# Altium PCB SnifferRS232.PcbDoc
Units mm, origin at the board's own origin, x right, y up, seen from the top; angles counter-clockwise.
Board outline 79 x 50 mm, 2 copper layers (Top Layer, Bottom Layer), stack 1.58 mm thick; 41 components, 50 nets, 254 pads, 56 vias.
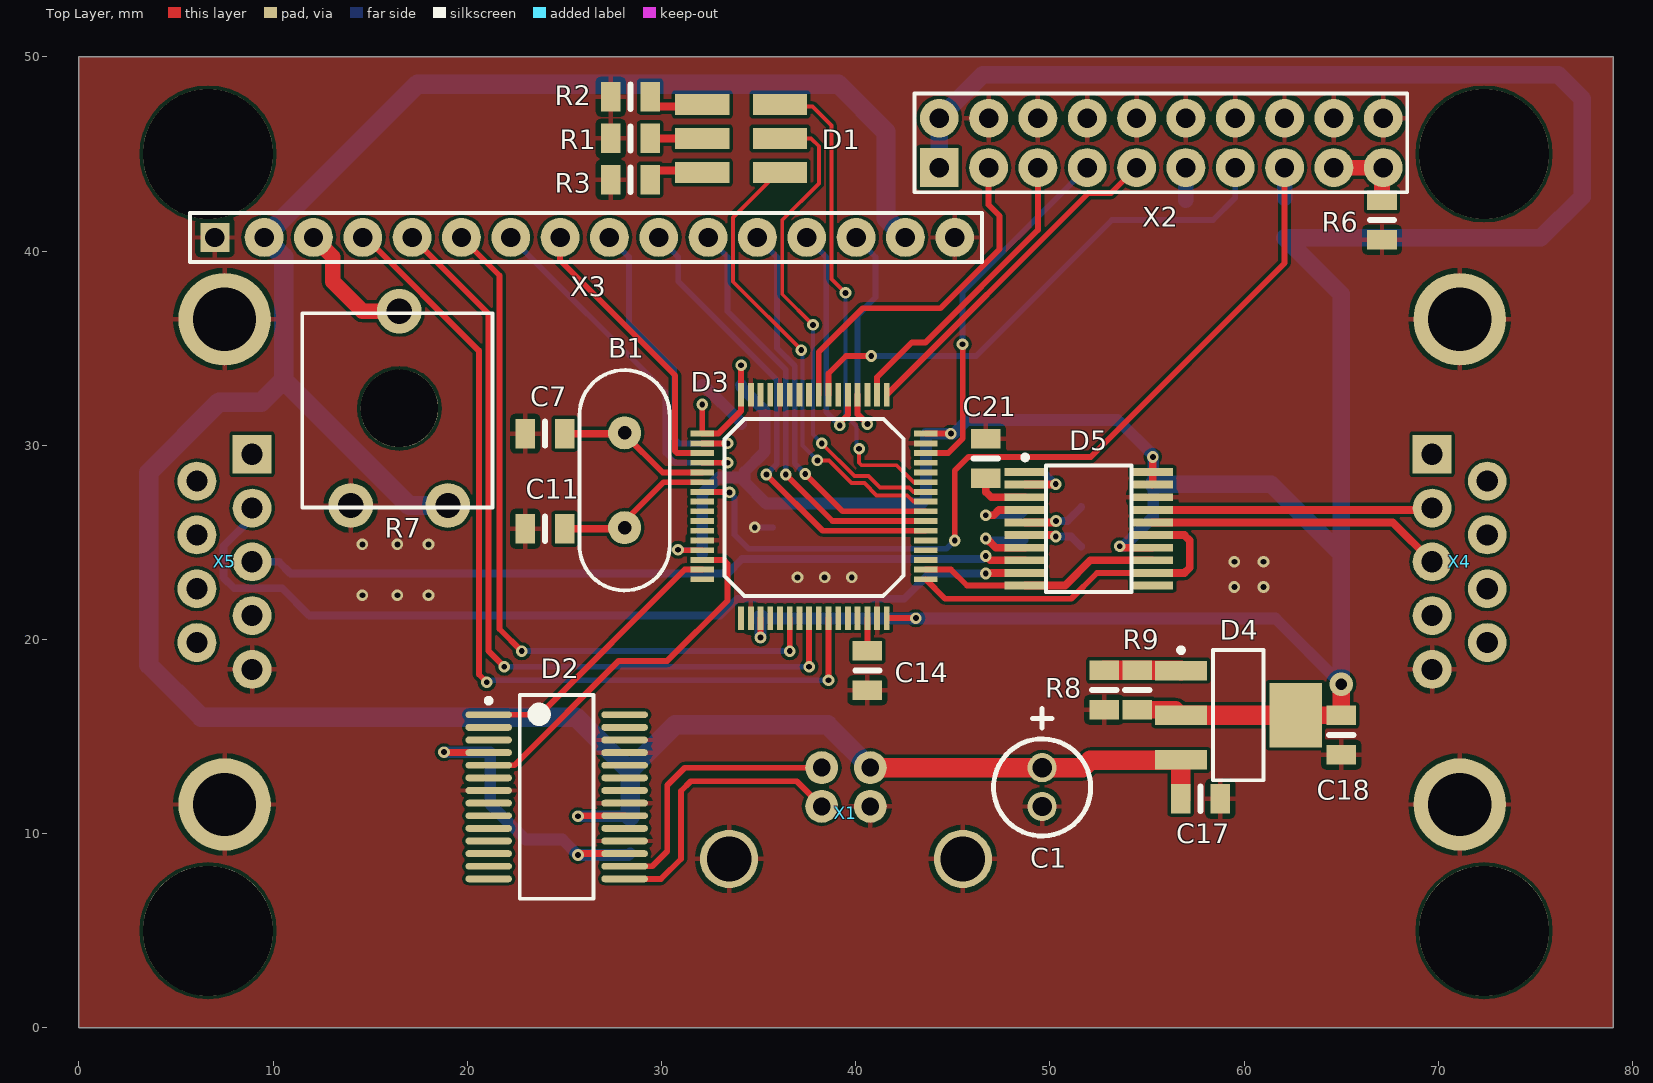
[diagram p0: Top Layer view]
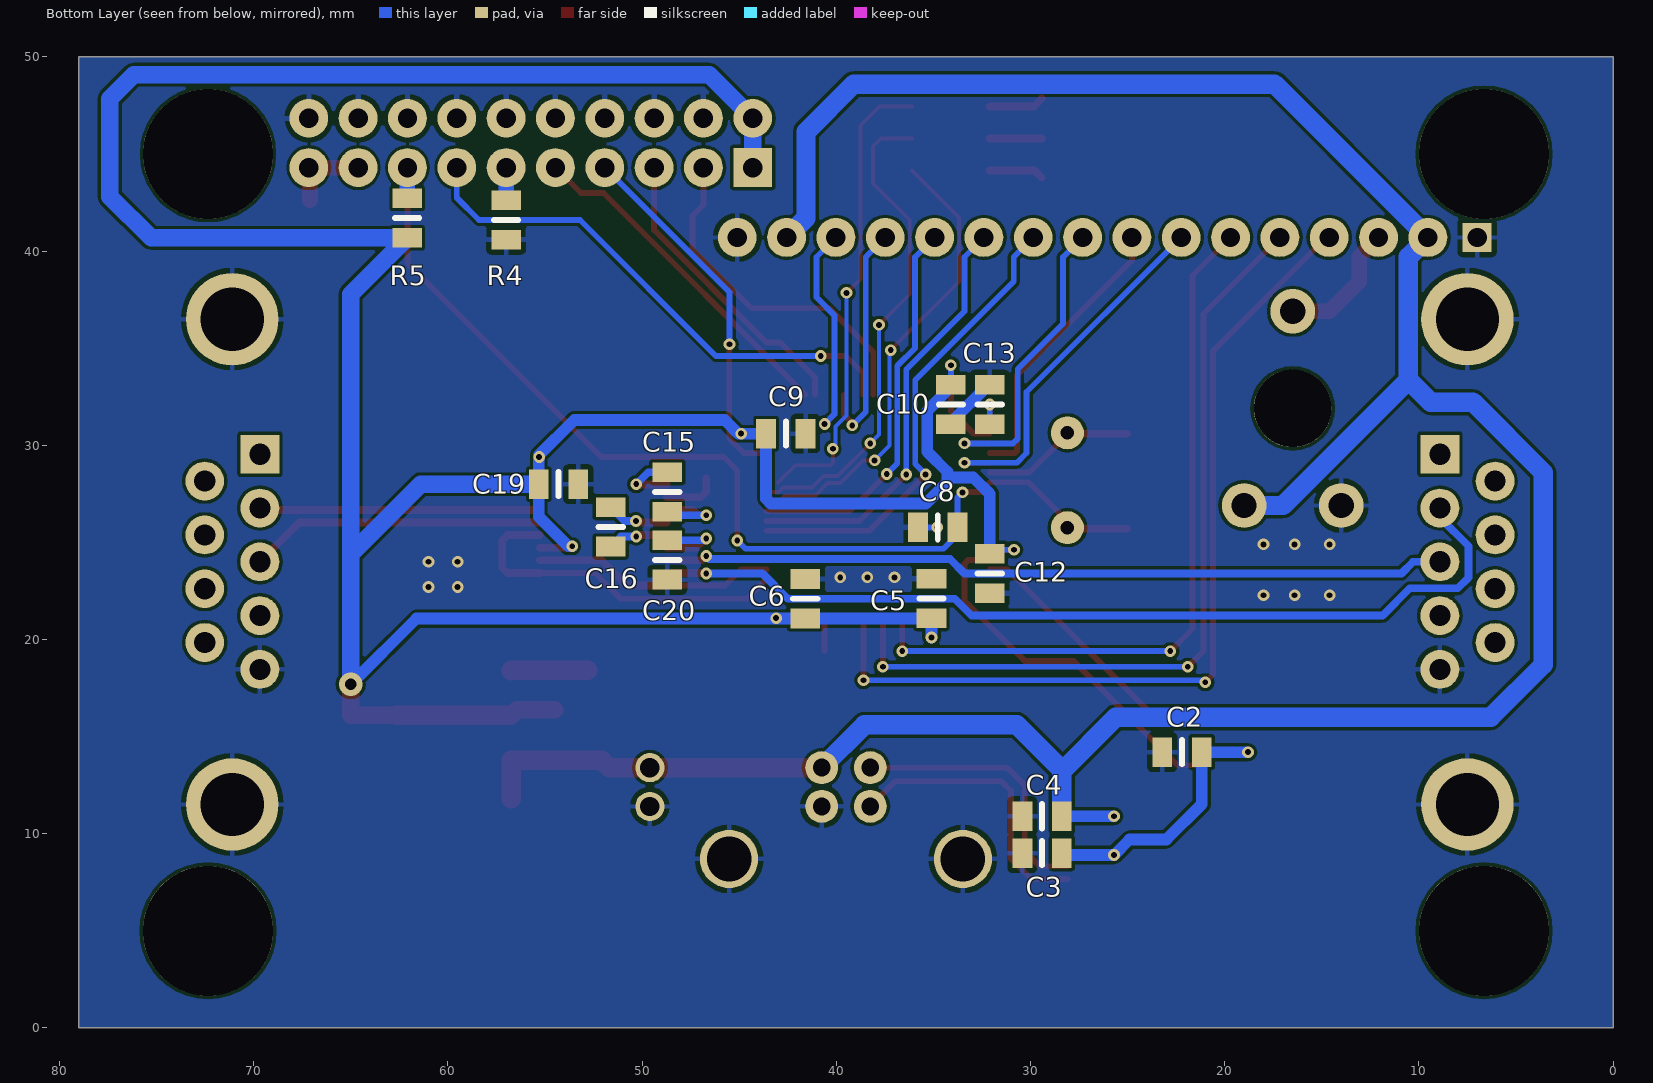
[diagram p1: Bottom Layer view, seen from below]
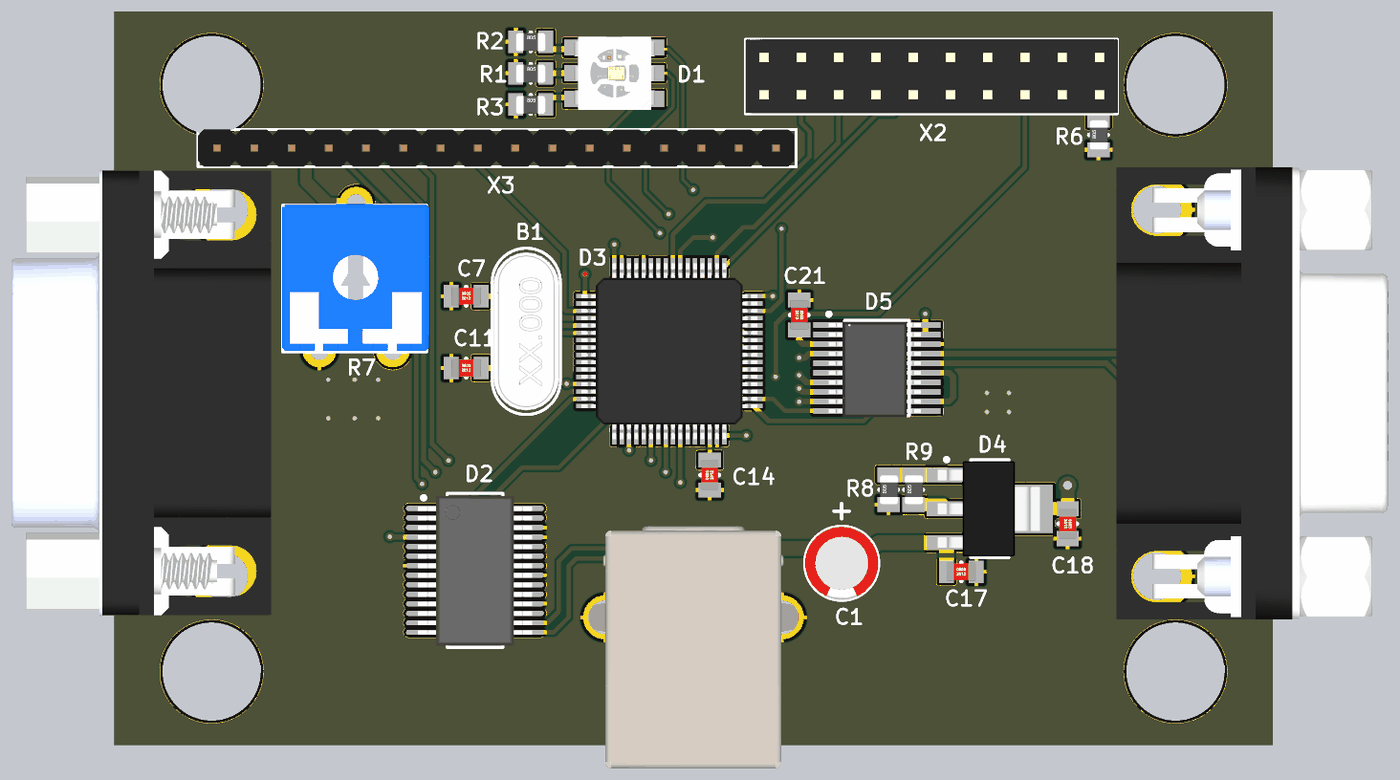
[diagram p2: 3D render of the assembled board from above, using the file's embedded part models]
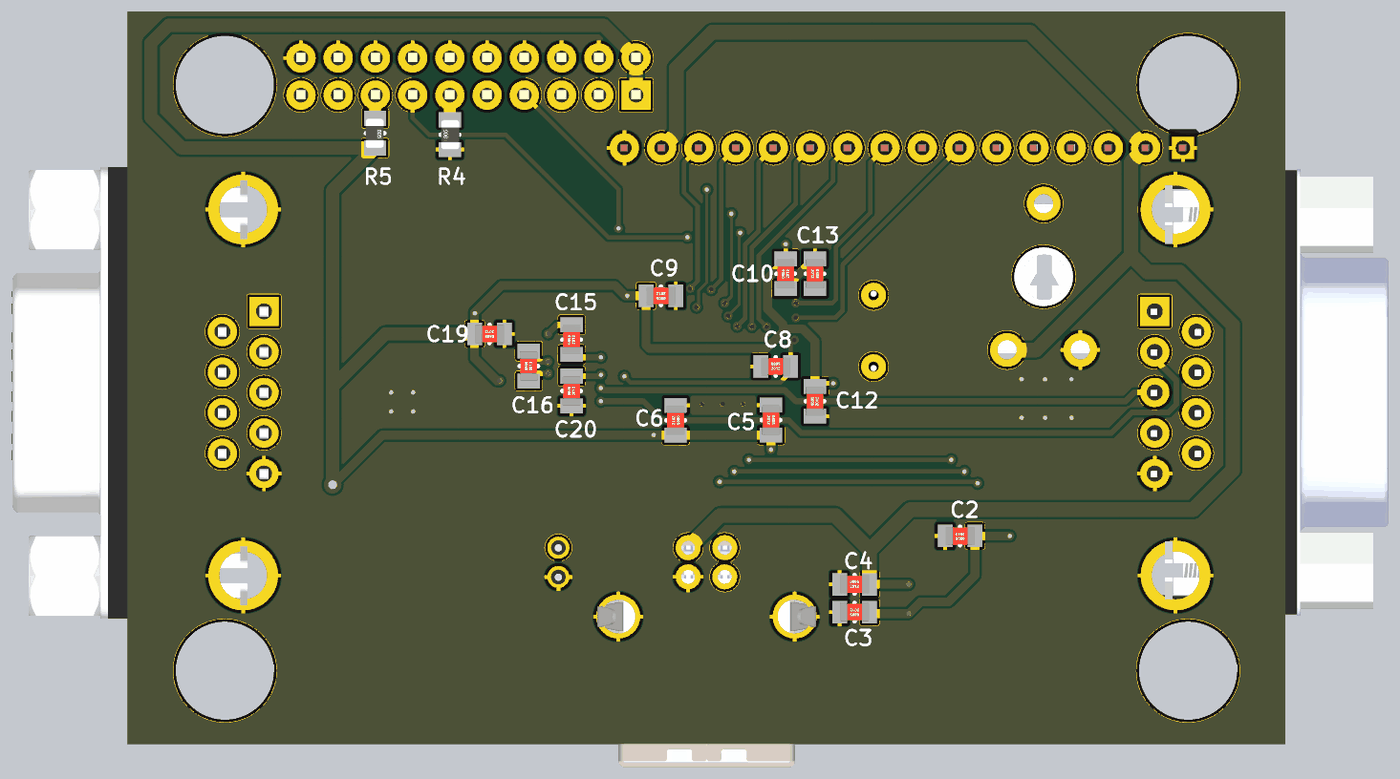
[diagram p3: 3D render of the assembled board from below, using the file's embedded part models]

## Layer stack, top to bottom
Top Solder: solder mask 0.0102, Solder Resist, Dk 3.5
Top Layer: signal copper 0.0347
Dielectric 1: dielectric 1.5103, FR-4, Dk 4.8
Bottom Layer: signal copper 0.0347
Bottom Solder: solder mask 0.0102, Solder Resist, Dk 3.5

## Board outline
0,0 0,50 79,50 79,0

## Design rules (kind name [scope] priority, off if disabled: settings)
Clearance [All] p1: gap=0.16 ignorepadtopadclearanceinfootprint=FALSE
HoleSize [All] p1: absolutevalues=TRUE maxlimit=7 minlimit=0.025 maxpercent=80.000 minpercent=20.000
MinimumSolderMaskSliver [All] p1: minsoldermaskwidth=0.16
PlaneConnect [All] p1: pad.planeconnectstyle=Relief pad.reliefexpansion=0.508 pad.reliefentries=4 pad.reliefconductorwidth=0.254 pad.reliefairgap=0.254 via.planeconnectstyle=Direct via.reliefexpansion=0.508 via.reliefentries=4 via.reliefconductorwidth=0.254 via.reliefairgap=0.254
PolygonConnect [All] p1: thpad.connectstyle=Relief thpad.reliefconductorwidth=0.254 thpad.reliefentries=4 thpad.polygonreliefangle="90 Angle" thpad.airgapwidth=0.254 smdpad.connectstyle=Relief smdpad.reliefconductorwidth=0.254 smdpad.reliefentries=4 smdpad.polygonreliefangle="90 Angle" smdpad.airgapwidth=0.254 via.connectstyle=Direct via.reliefconductorwidth=0.254 via.reliefentries=4 via.polygonreliefangle="90 Angle" via.airgapwidth=0.254
RoutingVias [All] p1: holewidth=0.3 width=0.6 viastyle="Through Hole" minholewidth=0.3 minwidth=0.6 maxholewidth=0.6 maxwidth=1.2
SilkToSilkClearance [All] p1: silktosilkclearance=0.16
SolderMaskExpansion SolderMaskExpansion_AlumCap [InComponent('C1')] p1: expansion=0.102
SolderMaskExpansion SolderMaskExpansion_PLS_PLD [InComponent('X2') or InComponent('X3')] p2: expansion=0.102
SolderMaskExpansion SolderMaskExpansion_SMD50X50 [InComponent('D1')] p3: expansion=0.102
SolderMaskExpansion [All] p4: expansion=0.2 useseparateexpansions=TRUE expansionbottom=0.1
Width [All] p1: maxlimit=1 minlimit=0.16 preferedwidth=0.2 minimp=50.000000 maximp=50.000000 favimp=50.000000
26 further rules are at their usual default settings.

## Components (designator, comment, footprint, x,y, rotation, side; value= is the part's Value field where it differs from the comment)
B1 "ZQ1 KX-3H 25.0 MHz" KX-3H 28.1,28.2 r90 top locked
C1 "1208-16 В-100мкФ" CAP_5x11 49.6,13.4 r270 top value="100 мкФ"
C2 "0805-16 В-X7R-0,1мкФ±10 %" SMD-0805C 22.2,14.2 r90 bottom value="0,1 мкФ"
C3 "0805-16 В-X7R-0,1мкФ±10 %" SMD-0805C 29.4,9 r90 bottom value="0,1 мкФ"
C4 "0805-16 В-X7R-0,1мкФ±10 %" SMD-0805C 29.4,10.9 r270 bottom value="0,1 мкФ"
C5 "0805-16 В-X7R-0,1мкФ±10 %" SMD-0805C 35.1,22.116 r0 bottom value="0,1 мкФ"
C6 "0805-16 В-X7R-0,1мкФ±10 %" SMD-0805C 41.6,22.1 r0 bottom value="0,1 мкФ"
C7 "0805-50 В-COG-22пФ±5 %" SMD-0805C 24,30.6 r270 top value="22 пФ"
C8 "0805-16 В-X7R-0,1мкФ±10 %" SMD-0805C 34.775,25.775 r270 bottom value="0,1 мкФ"
C9 "0805-16 В-X7R-0,1мкФ±10 %" SMD-0805C 42.6,30.6 r90 bottom value="0,1 мкФ"
C10 "0805-16 В-X7R-0,1мкФ±10 %" SMD-0805C 34.1,32.1 r180 bottom value="0,1 мкФ"
C11 "0805-50 В-COG-22пФ±5 %" SMD-0805C 24,25.7 r270 top value="22 пФ"
C12 "0805-16 В-X7R-0,1мкФ±10 %" SMD-0805C 32.1,23.4 r180 bottom value="0,1 мкФ"
C13 "0805-16 В-X7R-0,1мкФ±10 %" SMD-0805C 32.1,32.1 r0 bottom value="0,1 мкФ"
C14 "0805-16 В-X7R-4,7мкФ±10 %" SMD-0805C 40.6,18.4 r0 top value="4,7 мкФ"
C15 "0805-16 В-X7R-0,1мкФ±10 %" SMD-0805C 48.7,27.6 r180 bottom value="0,1 мкФ"
C16 "0805-16 В-X7R-0,1мкФ±10 %" SMD-0805C 51.616,25.8 r180 bottom value="0,1 мкФ"
C17 "0805-16 В-X7R-1мкФ±10 %" SMD-0805C 57.75,11.8 r270 top value="1 мкФ"
C18 "0805-16 В-X7R-1мкФ±10 %" SMD-0805C 65,15.08 r180 top value="1 мкФ"
C19 "0805-16 В-X7R-0,1мкФ±10 %" SMD-0805C 54.3,28 r90 bottom value="0,1 мкФ"
C20 "0805-16 В-X7R-0,1мкФ±10 %" SMD-0805C 48.7,24.1 r180 bottom value="0,1 мкФ"
C21 "0805-16 В-X7R-0,1мкФ±10 %" SMD-0805C 46.7,29.316 r180 top value="0,1 мкФ"
D1 "TO-5050BC-MRPBFGF" smd_50x50 34.1,45.8 r180 top
D2 "FT232RL" SSOP-28_M 24.6,11.9 r0 top
D3 "STM32F446RCT6" LQFP64 32.1,30.6 r0 top locked
D4 "LM317DCYR" SOT223_M 59.7,16.1 r0 top locked
D5 "MAX3225ECAP+" TSSOP-20 52,25.7 r270 top locked
R1 "0805±5 %-680 Ом" SMD-0805-RES 28.4,45.8 r270 top value="680 Ом"
R2 "0805±5 %-680 Ом" SMD-0805-RES 28.4,47.95 r270 top value="680 Ом"
R3 "0805±5 %-0 Ом" SMD-0805-RES 28.4,43.675 r270 top value="0 Ом"
R4 "0805±5 %-10 кОм" SMD-0805-RES 57,41.6 r180 bottom value="10 кОм"
R5 "0805±5 %-10 кОм" SMD-0805-RES 62.1,41.7 r0 bottom value="10 кОм"
R6 "0805±5 %-10 кОм" SMD-0805-RES 67.1,41.6 r0 top value="10 кОм"
R7 "CA9PV10-10KA2020" CA9V 16.5,31.9 r0 top locked value="10 кОм"
R8 "0805±1 %-2 кОм" SMD-0805-RES 52.8,17.4 r0 top value="2 кОм"
R9 "0805±1 %-1,3 кОм" SMD-0805-RES 54.5,17.4 r0 top value="1,3 кОм"
X1 "DS1099-BN0" "FCI USB 61729-0010BLF" 39.5,8.7 r0 top locked
X2 "DS1021-2*10SF11-B" PLD2x10 44.3,44.3 r0 top locked
X3 "DS1021-1*16SF112" PLS-16_12 7,40.7 r0 top locked
X4 "DS1037-09FNAKT74-0CC" DB-9F 80.6,24 r270 top locked
X5 "DS1037-09MNAKT74-0CC" DB-9M -2,24 r90 top locked

## Footprints (in the part's own frame and the unit in brackets; to place one, negate y for a bottom-side part, rotate by r counter-clockwise, add the part's x,y. Pads: shape width x height; smd on the part's side, far side on the other; paste and mask are expansions set on the pad)
CA9V [mm] "Footprint CA9V"
  round 2.3 hole 1.3: 1(-2.5,-5) 2(0,5) 3(2.5,-5)
  round 4 hole 4 unplated: ""(0,0)
  silkscreen extent -5,-5.1 4.8,4.9, body extent -5.04,-5.23 4.96,4.97, height 6.15
CAP_5x11 [mm] "Electorlytic capacitor 5x11; 2 Leads"
  round 1.5 hole 1: 1(0,0) 2(2,0)
  silkscreen extent -3.05,-2.5 3.52,2.5, body extent -1.48,-2.5 3.51,2.5, height 11.11
DB-9F [mm] "Connector female; D Subminiature; 9 Position; Right Angle; Pitch 1.385 mm"
  rect 2x2 hole 1.09: 1(-5.54,-10.92)
  round 2 hole 1.09: 2(-2.77,-10.92) 3(0,-10.92) 4(2.77,-10.92) 5(5.54,-10.92) 6(-4.155,-8.08) 7(-1.385,-8.08) 8(1.385,-8.08) 9(4.155,-8.08)
  round 4.76 hole 3.26: 10(-12.495,-9.5) 11(12.495,-9.5)
  body extent -15.38,-12.27 15.43,6.28, height 12.5
DB-9M [mm] "Connector male; D Subminiature; 9 Position; Right Angle; Pitch 1.385 mm"
  rect 2x2 hole 1.09: 1(5.54,-10.92)
  round 2 hole 1.09: 2(2.77,-10.92) 3(0,-10.92) 4(-2.77,-10.92) 5(-5.54,-10.92) 6(4.155,-8.08) 7(1.385,-8.08) 8(-1.385,-8.08) 9(-4.155,-8.08)
  round 4.76 hole 3.26: 10(-12.495,-9.5) 11(12.495,-9.5)
  body extent -15.25,-12.72 15.25,4.98, height 12.5
"FCI USB 61729-0010BLF" [mm]
  round 1.7 hole 0.92: 1(1.25,4.7) 2(-1.25,4.7) 3(-1.25,2.71) 4(1.25,2.71)
  round 3 hole 2.3: 5(-6.02,0) 6(6.02,0)
  body extent -7.49,-10.28 7.46,6.22, height 10.9
KX-3H [mm] "Oscillator; 2 Leads"
  round 1.7 hole 0.7: 1(-2.44,0) 2(2.44,0)
  silkscreen extent -5.67,-2.32 5.67,2.32, body extent -5.4,-2.25 5.4,2.25, height 4.5
LQFP64 [mm]
  rect 1.2x0.3 smd: 1(0,0) 2(0,-0.5) 3(0,-1) 4(0,-1.5) 5(0,-2) 6(0,-2.5) 7(0,-3) 8(0,-3.5) 9(0,-4) 10(0,-4.5) 11(0,-5) 12(0,-5.5) 13(0,-6) 14(0,-6.5) 15(0,-7) 16(0,-7.5) 33(11.5,-7.5) 34(11.5,-7) 35(11.5,-6.5) 36(11.5,-6) 37(11.5,-5.5) 38(11.5,-5) 39(11.5,-4.5) 40(11.5,-4) 41(11.5,-3.5) 42(11.5,-3) 43(11.5,-2.5) 44(11.5,-2) 45(11.5,-1.5) 46(11.5,-1) 47(11.5,-0.5) 48(11.5,0)
  rect 0.3x1.2 smd: 17(2,-9.5) 18(2.5,-9.5) 19(3,-9.5) 20(3.5,-9.5) 21(4,-9.5) 22(4.5,-9.5) 23(5,-9.5) 24(5.5,-9.5) 25(6,-9.5) 26(6.5,-9.5) 27(7,-9.5) 28(7.5,-9.5) 29(8,-9.5) 30(8.5,-9.5) 31(9,-9.5) 32(9.5,-9.5) 49(9.5,2) 50(9,2) 51(8.5,2) 52(8,2) 53(7.5,2) 54(7,2) 55(6.5,2) 56(6,2) 57(5.5,2) 58(5,2) 59(4.5,2) 60(4,2) 61(3.5,2) 62(3,2) 63(2.5,2) 64(2,2)
  silkscreen extent 1.13,-8.36 10.36,0.76, body extent -0.25,-9.75 11.75,2.25, height 1.6
PLD2x10 [mm] "Connector; Header; 10x2 Position"
  rect 2x2 hole 1: 1(0,0)
  round 2 hole 1: 2(0,2.54) 3(2.54,0) 4(2.54,2.54) 5(5.08,0) 6(5.08,2.54) 7(7.62,0) 8(7.62,2.54) 9(10.16,0) 10(10.16,2.54) 11(12.7,0) 12(12.7,2.54) 13(15.24,0) 14(15.24,2.54) 15(17.78,0) 16(17.78,2.54) 17(20.32,0) 18(20.32,2.54) 19(22.86,0) 20(22.86,2.54)
  silkscreen extent -1.27,-1.27 24.1,3.81, body extent -1.26,-1.24 24.14,3.84, height 8.54
PLS-16_12 [mm] "Connector type 12; Header; 16 Position"
  rect 1.5x1.5 hole 1: 1(0,0)
  round 2 hole 1: 2(2.54,0) 3(5.08,0) 4(7.62,0) 5(10.16,0) 6(12.7,0) 7(15.24,0) 8(17.78,0) 9(20.32,0) 10(22.86,0) 11(25.4,0) 12(27.94,0) 13(30.48,0) 14(33.02,0) 15(35.56,0) 16(38.1,0)
  silkscreen extent -1.27,-1.27 39.5,1.27, body extent -1.27,-1.27 39.37,1.27, height 14.81
SMD-0805-RES [mil]
  rect 60x40 smd: 1(0,40) 2(0,-40)
  silkscreen extent -25,0 25,0, body extent -24,-39 26,39, height 31
SMD-0805C [mil]
  rect 60x40 smd: 1(0,40) 2(0,-40)
  silkscreen extent -25,0 25,0, body extent -25,-39 25,39, height 35
smd_50x50 [mm] "Footprint smd50x50"
  rect 2.8x1.1 smd: 1(-2,1.75) 2(-2,0) 3(-2,-1.75) 4(2,-1.75) 5(2,0) 6(2,1.75)
  body extent -2.77,-2.5 2.73,2.5, height 1.55
SOT223_M [mm] "SOT223, 4-Leads, Body 6.5x3.5mm, Pitch 2.3mm, Lead Span 7mm, IPC Low Density"
  rect 2.7x1 smd: 1(-2.95,2.3) 2(-2.95,0) 3(-2.95,-2.3)
  rect 2.7x3.3 smd: 2(2.95,0)
  silkscreen extent -3.07,-3.35 1.3,3.47, body extent -3.55,-3.25 3.41,3.25, height 1.65
SSOP-28_M [mm] "SOP, 28-Leads, Body 10.2x5.3mm, Pitch 0.65mm, IPC Low Density"
  oval 2.4x0.35 smd: 1(-3.5,4.225) 2(-3.5,3.575) 3(-3.5,2.925) 4(-3.5,2.275) 5(-3.5,1.625) 6(-3.5,0.975) 7(-3.5,0.325) 8(-3.5,-0.325) 9(-3.5,-0.975) 10(-3.5,-1.625) 11(-3.5,-2.275) 12(-3.5,-2.925) 13(-3.5,-3.575) 14(-3.5,-4.225) 15(3.5,-4.225) 16(3.5,-3.575) 17(3.5,-2.925) 18(3.5,-2.275) 19(3.5,-1.625) 20(3.5,-0.975) 21(3.5,-0.325) 22(3.5,0.325) 23(3.5,0.975) 24(3.5,1.625) 25(3.5,2.275) 26(3.5,2.925) 27(3.5,3.575) 28(3.5,4.225)
  silkscreen extent -3.62,-5.25 1.9,5.25, body extent -3.9,-5.12 3.9,5.08, height 1.9
TSSOP-20 [mm] "TSSOP, Plastic; 20 Leads; Body Width 5.3 mm; Pitch 0.65 mm"
  rect 0.4x2.15 smd: 1(-2.925,-3.275) 2(-2.275,-3.275) 3(-1.625,-3.275) 4(-0.975,-3.275) 5(-0.325,-3.275) 6(0.325,-3.275) 7(0.975,-3.275) 8(1.625,-3.275) 9(2.275,-3.275) 10(2.925,-3.275) 11(2.925,3.275) 12(2.275,3.275) 13(1.625,3.275) 14(0.975,3.275) 15(0.325,3.275) 16(-0.325,3.275) 17(-0.975,3.275) 18(-1.625,3.275) 19(-2.275,3.275) 20(-2.925,3.275)
  silkscreen extent -3.8,-3.4 3.25,2.2, body extent -3.15,-3.29 3.35,2.99, height 1.1

## Part data
B1: library part Oscillator, "Crystal oscillator", Manufacturer="Geyer Electronic", ComponentLink1Description=Datasheet, ComponentLink1URL=http://www.geyer-electronic.de/uploads/tx_userartikelfrequenz/GEYER-KX-3H.pdf
C1: library part Cap_el, "Electrolytic capacitor", ComponentLink1Description=Datasheet
C2 C3 C4 C5 C6 C7 C8 C9 C10 C11 C12 C13 C14 C15 C16 C17 C18 C19 C20 C21: library part Cap, "Capacitor", ComponentLink1Description=Datasheet
D1: library part LED_RGB, "Surface mount smd LED", Manufacturer="Oasis Technology", ComponentLink1Description=Datasheet, ComponentLink1URL=https://static.chipdip.ru/lib/736/DOC002736076.pdf
D2: library part FT232R, "USB UART Asynchronous Serial Data Transfer Chip, SSOP-28, Tape and Reel", Manufacturer=FTDI, ComponentLink1Description=Datasheet, ComponentLink1URL=http://www.ftdichip.com/Support/Documents/DataSheets/ICs/DS_FT232R.pdf
D3: library part STM32F446RxT, "High-performance foundation line, ARM Cortex-M4 core with DSP and FPU, 256 Kbytes Flash, 180 MHz CPU, ART Accelerator, Dual QSPI", Manufacturer=STMicroelectronics, ComponentLink1Description=Datasheet, ComponentLink1URL=http://www.st.com/content/ccc/resource/technical/document/datasheet/65/cb/75/50/53/d6/48/24/DM00141306.pdf/files/DM00141306.pdf/jcr:content/translations/en.DM00141306.pdf
D4: library part LM317, "3-Terminal Adjustable Regulator", Manufacturer="Texas Instruments", ComponentLink1Description=Datasheet, ComponentLink1URL=http://www.ti.com/lit/ds/symlink/lm317.pdf
D5: library part MAX3225, "±15kV ESD-Protected, 1µA, 1Mbps, 3.0V to 5.5V,  RS-232 Transceivers with AutoShutdown Plus", Manufacturer="Maxim Integrated", ComponentLink1Description=Datasheet, ComponentLink1URL=https://datasheets.maximintegrated.com/en/ds/MAX3224E-MAX3245E.pdf
R1 R2 R3 R4 R5 R6 R8 R9: library part Res, "Resistor", ComponentLink1Description=Datasheet
R7: library part Potentiometer, "Potentiometer", Manufacturer="ACP Technologies", ComponentLink1Description=Datasheet, ComponentLink1URL=https://lib.chipdip.ru/053/DOC000053676.pdf
X1: library part USB-B, "USB-B connector", Manufacturer="Connfly Electronic", ComponentLink1Description=Datasheet, ComponentLink1URL=http://www.connfly.com/userfiles/image/UpLoadFile/File/2016/1/20/DS1099.pdf
X2: library part PLD2x10, "PLD-20 connector", Manufacturer="Connfly Electronic", ComponentLink1Description=Datasheet, ComponentLink1URL=http://www.connfly.com/userfiles/image/UpLoadFile/File/2015/1/29/DS1021.pdf
X3: library part PLD2x8, "PLD-16 connector", Manufacturer="Connfly  Electronic", ComponentLink1Description=Datasheet, ComponentLink1URL=http://www.connfly.com/userfiles/image/UpLoadFile/File/2015/1/29/DS1021.pdf
X4: library part DB-9, "DB-9 female connector", Manufacturer="Connfly Electronic", ComponentLink1Description=Datasheet, ComponentLink1URL=http://www.connfly.com/userfiles/image/UpLoadFile/File/2013/12/14/DS1037.pdf
X5: library part DB-9, "DB-9 male connector", Manufacturer="Connfly Electronic", ComponentLink1Description=Datasheet, ComponentLink1URL=http://www.connfly.com/userfiles/image/UpLoadFile/File/2013/12/14/DS1037.pdf

## Free pads (board coordinates)
  round 6.7 hole 6.7 unplated: ""(6.65,5) ""(6.65,45) ""(72.35,5) ""(72.35,45)

## Via types
v1: diameter 0.6, hole 0.3, Top Layer to Bottom Layer, tented both sides, 55 vias
v2: diameter 1.2, hole 0.6, Top Layer to Bottom Layer, tented both sides, 1 vias

## Nets (pads, with @x,y where several pads share a name; then routed paths per layer and width w, separated by ;. In a path a pad name is that pad's centre, name@x,y a point inside that pad or via, vN(x,y) a via of type N, cw(c..) or ccw(c..) an arc to the next point about the centre after c; other vN are vias at no path point)
3,3В: C5.1 C6.1 C9.1 C10.1 C12.1 C13.1 C18.2 C19.1 D3.1 D3.13 D3.19 D3.32 D3.48 D3.64 D4.2 D5.14 D5.19 D5.20 R5.1 R9.2 X2.1 X2.2 | length 199.3
  Top Layer w0.3: v1(30.85,24.625) 30.875,24.6 D3.13 ; v1(32.1,32.1) D3.1 32.925,30.6 34.1,31.775 D3.64 v1(34.1,34.125) ; v1(35.1,20.1) D3.19 ; D3.32 v1(43.1,21.1) ; D3.48 v1(44.9,30.6)
  Top Layer w0.4: v1(53.6,24.8) 53.675,24.725 D5.14 ; D5.19 55.3,28 v1(55.3,29.4)
  Top Layer w0.9: R9.2 56.466,16.384 D4.2@56.75,16.1 ; D4.2@62.65,16.1 C18.2@64.984,16.1 ; C18.2 v2(65,17.7)
  Top Layer w1: D4.2@56.75,16.1 D4.2@62.65,16.1
  Bottom Layer w0.3: v1(30.85,24.625) 31.891,24.625 C12.1 ; C13.1 v1(32.1,32.1) ; C10.1@33.925,33.116 34.1,33.291 v1(34.1,34.125)
  Bottom Layer w0.6: C12.1 32.1,27.5 32.94,28.34 34.06,28.34 34.275,28.125 ; C10.1 34.1,33.005 35.322,31.783 35.322,29.672 34.275,28.625 34.275,28.125 ; v1(35.1,20.1) C5.1 ; C5.1@35.116,21.084 C6.1 61.616,21.084 v2(65,17.7) ; v1(53.6,24.8) 53.8,24.8 55.316,26.316 C19.1 55.316,29.484 53.5,31.3 45.747,31.3 45.047,30.6 v1(44.9,30.6) C9.1 43.616,27.241 43.375,27 35.4,27 34.275,28.125
  Bottom Layer w0.9: C5.1 C5.1@35.116,21.084 ; X2.1 X2.2 46.535,49.075 76.175,49.075 77.4,47.85 77.4,42.8 75.284,40.684 R5.1 65,37.784 65,24.4 ; C19.1 61.4,28 65,24.4 ; v2(65,17.7) 65,24.4
5В: C1.1 C4.1 C17.2 D2.20 D4.3 R7.3 X1.1 X3.2 X3.15 | length 146.8
  Top Layer w0.35: v1(25.7,10.9) 25.725,10.925 D2.20
  Top Layer w1: X1.1 C1.1 51.7,13.4 52.084,13.784 56.734,13.784 C17.2
  Bottom Layer w0.6: v1(25.7,10.9) C4.1
  Bottom Layer w1: R7.3 17,26.9 10.54,33.36 ; C4.1 28.384,13.216 ; X1.1 38.55,15.6 30.7,15.6 28.384,13.284 28.384,13.216 ; X3.15 41.56,41.7 41.56,46.14 39.1,48.6 17.44,48.6 X3.2 10.54,39.7 10.54,33.36 ; 10.54,33.36 9.4,32.22 7.22,32.22 3.6,28.6 3.6,18.7 6.3,16 25.6,16 28.384,13.216
BLUE: D1.1 D3.41 | length 24.2
  Top Layer w0.2: D1.1@36.1,44.15 33.68,41.73 33.68,38.42 v1(37.2,34.9) ; v1(38.025,29.225) 38.616,29.225 39.786,28.055 40.445,28.055 41.08,27.42 42.653,27.42 42.973,27.1 D3.41
  Bottom Layer w0.2: v1(37.2,34.9) 37.27,34.83 37.27,29.98 v1(38.025,29.225)
D0: D3.4 X3.7 | length 19.1
  Top Layer w0.3: D3.4 v1(33.4,29.1)
  Bottom Layer w0.3: X3.7 30.2,32.74 30.2,29.6 30.7,29.1 v1(33.4,29.1)
D1: D3.3 X3.8 | length 14.9
  Top Layer w0.3: X3.8 24.78,39.52 30.7,33.6 30.7,29.7 30.8,29.6 D3.3
D2: D3.2 X3.9 | length 15.9
  Top Layer w0.3: D3.2 v1(33.4,30.1)
  Bottom Layer w0.3: X3.9 28.32,39.7 28.32,36.271 30.66,33.931 30.66,30.34 30.9,30.1 v1(33.4,30.1)
D3: D3.38 X3.10 | length 24.3
  Top Layer w0.3: v1(35.4,28.5) 38.3,25.6 D3.38
  Bottom Layer w0.3: X3.10 30.86,39.7 30.86,38.44 35.932,33.368 35.932,29.032 v1(35.4,28.5)
D4: D3.39 X3.11 | length 22.1
  Top Layer w0.3: v1(36.4,28.5) 38.8,26.1 D3.39
  Bottom Layer w0.3: X3.11 33.4,39.7 33.4,36.9 36.4,33.9 v1(36.4,28.5)
D5: D3.40 X3.12 | length 20.2
  Top Layer w0.3: v1(37.4,28.525) 39.325,26.6 D3.40
  Bottom Layer w0.3: X3.12 35.94,39.7 35.94,35.011 36.86,34.091 36.86,29.065 v1(37.4,28.525)
D6: D3.53 X3.13 | length 12.1
  Top Layer w0.3: v1(39.175,31.025) 39.175,31.15 39.6,31.575 D3.53
  Bottom Layer w0.3: X3.13 38.48,39.7 38.48,31.72 v1(39.175,31.025)
D7: D3.52 X3.14 | length 12.3
  Top Layer w0.3: D3.52 40.1,31.6 v1(40.6,31.1)
  Bottom Layer w0.3: X3.14 41.02,39.7 41.02,37.62 40.1,36.7 40.1,31.6 v1(40.6,31.1)
E: D3.22 X3.6 | length 38.1
  Top Layer w0.3: X3.6 21.66,38.74 21.66,20.54 v1(22.8,19.4) ; v1(36.6,19.4) D3.22
  Bottom Layer w0.3: v1(22.8,19.4) v1(36.6,19.4)
GND: C1.2 C2.1 C3.1 C4.2 C5.2 C6.2 C7.2 C8.2 C9.2 C10.2 C11.2 C12.2 C13.2 C14.2 C17.1 C18.1 C19.2 C20.2 C21.2 D2.7 D2.18 D2.21 D2.25 D2.26 D3.12 D3.18 D3.31 D3.47 D3.60 D3.63 D5.18 R1.2 R2.2 R3.2 R4.2 R6.2 R7.1 R8.2 X1.4 X1.5 X1.6 X2.4 X2.6 X2.8 X2.10 X2.12 X2.14 X2.16 X2.18 X2.20 X3.1 X3.16 X4.5 X4.10 X4.11 X5.5 X5.10 X5.11 | length 3.9
  Bottom Layer w0.3: v1@34.75,25.775 v1(34.8,25.775) C8.2@35.741,25.775
  Bottom Layer w0.6: C13.2 32.159,33.116 34.1,31.175 C10.2
  other v1: 14.6,22.275 16.4,22.275 18,22.275 59.5,22.7 61,22.7 37,23.2 38.4,23.2 39.8,23.2 59.5,24 61,24 14.6,24.9 16.4,24.9 18,24.9
GPIO_RX: D3.33 D5.12 D5.15 | length 18.1
  Top Layer w0.3: D3.33 44.6,22.1 51.1,22.1 52.425,23.425 D5.12
  Top Layer w0.4: D5.12 56.925,23.425 57.2,23.7 57.2,25.1 56.925,25.375 D5.15
GPIO_TX: D3.34 D5.10 D5.13 | length 12.6
  Top Layer w0.3: D3.34 44.9,23.6 45.725,22.775 D5.10
  Top Layer w0.4: D5.10 50.775,22.775 52.075,24.075 D5.13
GREEN: D1.3 D3.43 | length 24.3
  Top Layer w0.2: D1.3@36.1,47.45 37.775,47.45 38.76,46.465 38.76,38.565 v1(39.475,37.85) ; v1(40.175,29.825) 40.175,29.1 40.3,28.975 42.107,28.975 42.892,28.19 42.901,28.19 D3.43@43.007,28.085
  Bottom Layer w0.2: v1(39.475,37.85) 39.475,31.525 40.04,30.96 40.04,29.96 v1(40.175,29.825)
NetB1_1: B1.1 C11.1 D3.6 | length 8.3
  Top Layer w0.3: B1.1@28.04,25.7 28.04,26.04 30.1,28.1 D3.6
  Top Layer w0.4: C11.1 B1.1@28.04,25.7
NetB1_2: B1.2 C7.1 D3.5 | length 7.9
  Top Layer w0.3: B1.2@28.06,30.6 30.06,28.6 D3.5
  Top Layer w0.4: C7.1 B1.2@28.06,30.6
NetC2_2: C2.2 C3.2 D2.4 D2.17 | length 18.1
  Top Layer w0.3: v1(25.7,8.9) v1@25.775,8.975
  Top Layer w0.35: v1(18.8,14.2) 18.825,14.175 D2.4 ; v1@25.775,8.975 D2.17
  Bottom Layer w0.6: v1(18.8,14.2) C2.2 21.184,11.516 23,9.7 24.9,9.7 v1(25.7,8.9) 28.284,8.9 C3.2
NetC14_1: C14.1 D3.30 | length 1.7
  Top Layer w0.3: C14.1 D3.30
NetC15_1: C15.1 D5.2 | length 3.4
  Top Layer w0.4: D5.2 50.275,27.975 v1(50.3,28)
  Bottom Layer w0.4: C15.1 49.684,28.616 v1(50.3,28)
NetC15_2: C15.2 D5.4 | length 4.2
  Top Layer w0.4: v1(46.7,26.4) 47.1,26.4 47.375,26.675 D5.4
  Bottom Layer w0.4: v1(46.7,26.4) 48.516,26.4 C15.2
NetC16_1: C16.1 D5.5 | length 3.2
  Top Layer w0.4: D5.5 50.275,26.025 50.316,26.066 v1(50.316,26.1)
  Bottom Layer w0.4: v1(50.316,26.1) 50.9,26.1 C16.1
NetC16_2: C16.2 D5.6 | length 3.1
  Top Layer w0.4: D5.6 50.225,25.375 v1(50.3,25.3)
  Bottom Layer w0.4: v1(50.3,25.3) 51.1,25.3 C16.2
NetC20_1: C20.1 D5.7 | length 4.3
  Top Layer w0.3: D5.7@48.7,24.7 D5.7
  Top Layer w0.4: v1(46.7,25.2) 46.733,25.2 47.208,24.725 D5.7
  Bottom Layer w0.3: v1(46.7,25.2) v1@46.784,25.116
  Bottom Layer w0.4: v1@46.784,25.116 C20.1
NetC21_1: C21.1 D5.3 | length 2.8
  Top Layer w0.4: C21.1 46.7,27.6 46.975,27.325 D5.3
NetD1_4: D1.4 R2.1 | length 2.8
  Top Layer w0.4: R2.1@29.416,47.85 29.816,47.45 D1.4@32.1,47.45
NetD1_5: D1.5 R1.1 | length 2.7
  Top Layer w0.4: R1.1 D1.5
NetD1_6: D1.6 R3.1 | length 2.8
  Top Layer w0.4: R3.1@29.416,43.775 29.791,44.15 D1.6@32.1,44.15
NetD2_15: D2.15 X1.3 | length 14.8
  Top Layer w0.3: D2.15 29.975,7.675 31,8.7 31,12.2 31.5,12.7 36.96,12.7 X1.3
NetD2_16: D2.16 X1.2 | length 14.2
  Top Layer w0.3: D2.16 29.525,8.325 30.3,9.1 30.3,12.5 31.2,13.4 X1.2
NetD4_1: D4.1 R8.1 R9.1 | length 4
  Top Layer w1: R8.1 R9.1 56.734,18.416 D4.1
NetD5_8: D5.8 X5.3 | length 40.5
  Top Layer w0.4: v1(46.7,24.3) 46.925,24.075 D5.8
  Bottom Layer w0.4: X5.3 10.3,24 10.9,23.4 33.4,23.4 34.15,24.15 46.55,24.15 v1(46.7,24.3)
NetD5_9: D5.9 X5.2 | length 47.2
  Top Layer w0.4: v1(46.7,23.4) 46.725,23.425 D5.9
  Bottom Layer w0.4: X5.2 8.92,26.28 7.44,24.8 7.44,23.195 7.995,22.64 10.465,22.64 11.875,21.23 33.03,21.23 33.9,22.1 42.5,22.1 43.8,23.4 v1(46.7,23.4)
NetD5_16: D5.16 X4.3 | length 15.2
  Top Layer w0.4: D5.16 67.655,26.025 X4.3
NetD5_17: D5.17 X4.2 | length 14.4
  Top Layer w0.4: D5.17 69.585,26.675 X4.2
NetR4_1: R4.1 X2.11 | length 1.7
  Bottom Layer w0.8: R4.1 X2.11
NetR6_1: R6.1 X2.17 X2.19 | length 4.3
  Top Layer w0.8: X2.17 X2.19 67.1,44.24 R6.1
  Bottom Layer w0.8: X2.19@67.1,44.24 X2.19
NetR7_2: R7.2 X3.3 | length 6.7
  Top Layer w0.8: X3.3 13.08,39.7 13.08,38.42 14.6,36.9 R7.2
R/W: D3.24 X3.5 | length 42.3
  Top Layer w0.3: X3.5 21.1,36.76 21.1,19.4 v1(21.9,18.6) ; v1(37.6,18.6) D3.24
  Bottom Layer w0.3: v1(21.9,18.6) v1(37.6,18.6)
RED: D1.2 D3.42 | length 25.5
  Top Layer w0.2: D1.2 37.7,45.8 38.1,45.4 38.1,43.477 36.22,41.597 36.22,37.78 v1(37.8,36.2) ; v1(38.25,30.1) 39.935,28.415 40.66,28.415 41.245,27.83 42.752,27.83 42.982,27.6 D3.42
  Bottom Layer w0.2: v1(37.8,36.2) 37.8,30.55 v1(38.25,30.1)
RESET: C8.1 D3.7 R5.2 X2.15 | length 47.1
  Top Layer w0.3: D3.7 33.5,27.6 33.502,27.598 v1(33.502,27.576) ; v1(45.1,25.1) 45.1,28.7 45.8,29.4 52.1,29.4 62.08,39.38 X2.15
  Bottom Layer w0.3: v1@33.524,27.576 v1(33.502,27.576) 33.759,27.319 C8.1 33.759,25.391 34.475,24.675 44.675,24.675 v1(45.1,25.1)
  Bottom Layer w0.8: X2.15 62.1,44.28 R5.2
RS: D3.26 X3.4 | length 46.5
  Top Layer w0.3: X3.4 14.765,40.7 20.59,34.875 20.6,34.875 20.6,18.2 v1(21,17.8) ; v1(38.6,17.9) D3.26
  Bottom Layer w0.3: v1(21,17.8) 21.1,17.9 v1(38.6,17.9)
TCK: D3.49 X2.9 | length 17.7
  Top Layer w0.3: D3.49 51.99,42.99 53.15,42.99 X2.9
TDI: D3.50 X2.5 | length 15.5
  Top Layer w0.3: D3.50 41.1,33.5 42.9,35.3 43.6,35.3 49.38,41.08 X2.5
TDO: D3.55 X2.13 | length 27.4
  Top Layer w0.3: D3.55 38.6,33.7 39.5,34.6 v1(40.8,34.6)
  Bottom Layer w0.3: v1(40.8,34.6) 40.81,34.59 46.19,34.59 53.2,41.6 58.4,41.6 59.54,42.74 X2.13
TMS: D3.46 X2.7 | length 18.8
  Top Layer w0.3: D3.46 44.763,29.6 45.51,30.347 45.51,35.19 v1(45.5,35.2)
  Bottom Layer w0.3: v1(45.5,35.2) 45.5,37.88 X2.7
TRST: D3.56 X2.3 | length 18.1
  Top Layer w0.3: D3.56 38.1,34.8 40.36,37.06 44.36,37.06 47.41,40.11 47.41,41.813 46.84,42.383 X2.3
UART_RX: D2.1 D3.15 | length 14.1
  Top Layer w0.3: D2.1 23.725,16.125 31.2,23.6 D3.15
UART_TX: D2.5 D3.14 | length 19.1
  Top Layer w0.3: D2.5 22.425,13.525 27.8,18.9 30.3,18.9 33.4,22 33.4,23.9 33.2,24.1 D3.14
pads on no net: D2.2 D2.3 D2.6 D2.8 D2.9 D2.10 D2.11 D2.12 D2.13 D2.14 D2.19 D2.22 D2.23 D2.24 D2.27 D2.28 D3.8 D3.9 D3.10 D3.11 D3.16 D3.17 D3.20 D3.21 D3.23 D3.25 D3.27 D3.28 D3.29 D3.35 D3.36 D3.37 D3.44 D3.45 D3.51 D3.54 D3.57 D3.58 D3.59 D3.61 D3.62 D5.1 D5.11 R7. X4.1 X4.4 X4.6 X4.7 X4.8 X4.9 X5.1 X5.4 X5.6 X5.7 X5.8 X5.9

## Polygon pours and split planes (outlines as drawn)
GND on Bottom Layer "GND_L02_P002" (solid, remove dead copper, pour order 2): 0,50 79,50 79,0 0,0
GND on Top Layer "GND_L01_P000" (solid, remove dead copper, pour order 0): 0,50 79,50 79,0 0,0

## Silkscreen, mask and mechanical layers (free items; w line width, h text height)
Mechanical 13:
  the board outline again, w0.4